# EAGLE board Mk4 Final a Panel score 2x5 (EAGLE 9.0.1), part 5 of 29 (continued)
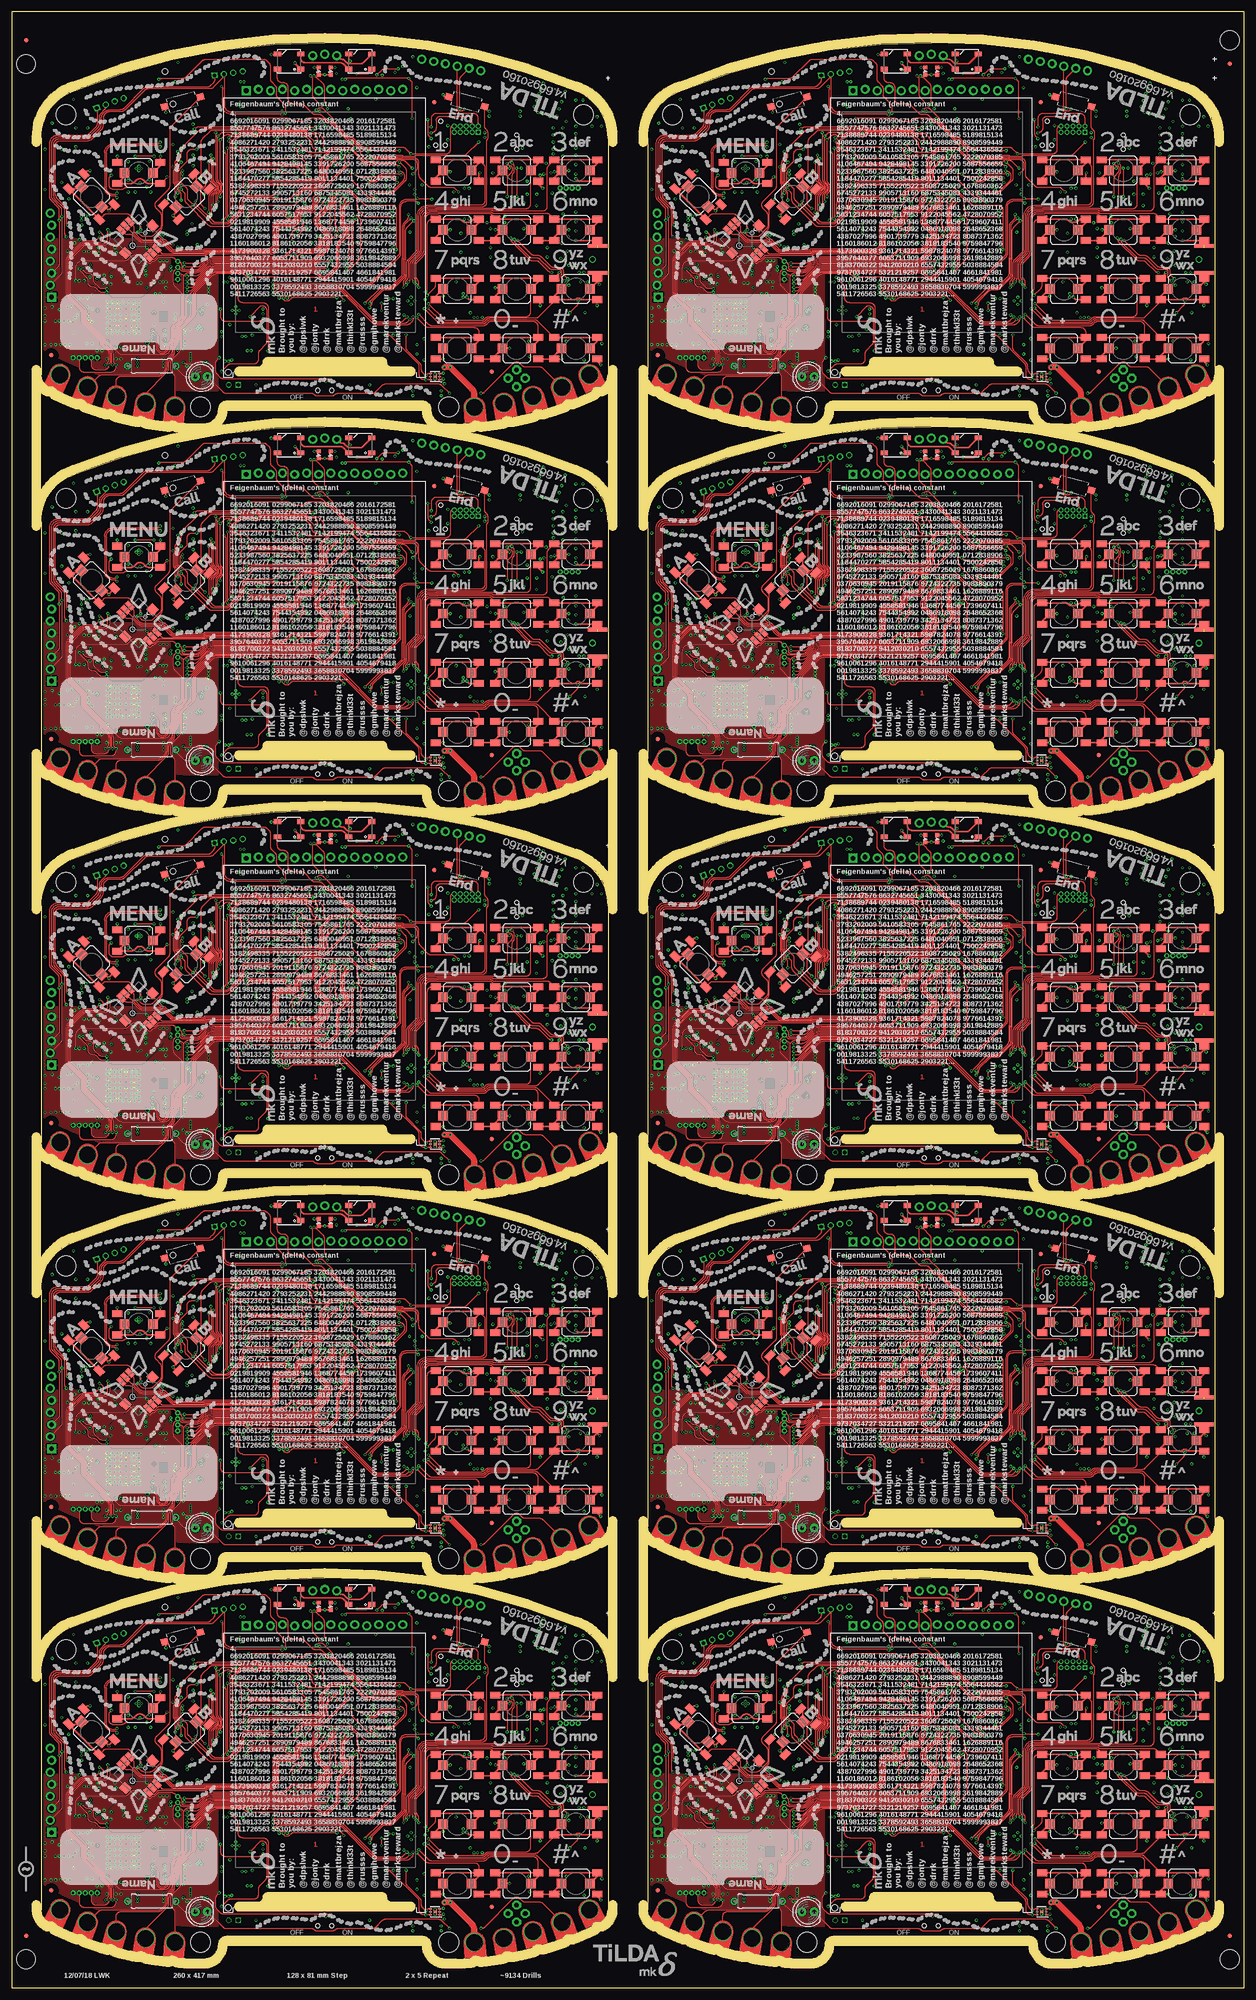
[diagram p0: board, top side]
## Nets (continued)
BTN_67: IC103.13 S113.2 S113.B1 S113.B2
BTN_68: IC103.5 S115.2 S115.B1 S115.B2
BTN_69: IC103.11 S116.2 S116.B1 S116.B2
BTN_70: IC103.12 S117.2 S117.B1 S117.B2
BTN_71: IC103.7 S107.2 S107.B1 S107.B2
BTN_72: IC103.8 S108.2 S108.B1 S108.B2
BTN_73: IC121.1 S127.2 S127.B1 S127.B2
BTN_74: IC121.3 S131.2 S131.B1 S131.B2
BTN_75: IC121.4 S135.2 S135.B1 S135.B2
BTN_76: IC121.14 S130.2 S130.B1 S130.B2
BTN_77: IC121.6 S132.2 S132.B1 S132.B2
BTN_78: IC121.10 S133.2 S133.B1 S133.B2
BTN_79: IC121.13 S134.2 S134.B1 S134.B2
BTN_80: IC121.5 S136.2 S136.B1 S136.B2
BTN_81: IC121.11 S137.2 S137.B1 S137.B2
BTN_82: IC121.12 S138.2 S138.B1 S138.B2
BTN_83: IC121.7 S128.2 S128.B1 S128.B2
BTN_84: IC121.8 S129.2 S129.B1 S129.B2
BTN_85: IC139.1 S148.2 S148.B1 S148.B2
BTN_86: IC139.3 S152.2 S152.B1 S152.B2
BTN_87: IC139.4 S156.2 S156.B1 S156.B2
BTN_88: IC139.14 S151.2 S151.B1 S151.B2
BTN_89: IC139.6 S153.2 S153.B1 S153.B2
BTN_90: IC139.10 S154.2 S154.B1 S154.B2
BTN_91: IC139.13 S155.2 S155.B1 S155.B2
BTN_92: IC139.5 S157.2 S157.B1 S157.B2
BTN_93: IC139.11 S158.2 S158.B1 S158.B2
BTN_94: IC139.12 S159.2 S159.B1 S159.B2
BTN_95: IC139.7 S149.2 S149.B1 S149.B2
BTN_96: IC139.8 S150.2 S150.B1 S150.B2
BTN_97: IC157.1 S169.2 S169.B1 S169.B2
BTN_98: IC157.3 S173.2 S173.B1 S173.B2
BTN_99: IC157.4 S177.2 S177.B1 S177.B2
BTN_100: IC157.14 S172.2 S172.B1 S172.B2
BTN_101: IC157.6 S174.2 S174.B1 S174.B2
BTN_102: IC157.10 S175.2 S175.B1 S175.B2
BTN_103: IC157.13 S176.2 S176.B1 S176.B2
BTN_104: IC157.5 S178.2 S178.B1 S178.B2
BTN_105: IC157.11 S179.2 S179.B1 S179.B2
BTN_106: IC157.12 S180.2 S180.B1 S180.B2
BTN_107: IC157.7 S170.2 S170.B1 S170.B2
BTN_108: IC157.8 S171.2 S171.B1 S171.B2
BTN_109: IC175.1 S190.2 S190.B1 S190.B2
BTN_110: IC175.3 S194.2 S194.B1 S194.B2
BTN_111: IC175.4 S198.2 S198.B1 S198.B2
BTN_112: IC175.14 S193.2 S193.B1 S193.B2
BTN_113: IC175.6 S195.2 S195.B1 S195.B2
BTN_114: IC175.10 S196.2 S196.B1 S196.B2
BTN_115: IC175.13 S197.2 S197.B1 S197.B2
BTN_116: IC175.5 S199.2 S199.B1 S199.B2
BTN_117: IC175.11 S200.2 S200.B1 S200.B2
BTN_118: IC175.12 S201.2 S201.B1 S201.B2
BTN_119: IC175.7 S191.2 S191.B1 S191.B2
BTN_120: IC175.8 S192.2 S192.B1 S192.B2
BTN_A: IC4.16 S13.2 S13.B1 S13.B2
BTN_A1: IC31.16 S35.2 S35.B1 S35.B2
BTN_A2: IC49.16 S56.2 S56.B1 S56.B2
BTN_A3: IC67.16 S77.2 S77.B1 S77.B2
BTN_A4: IC85.16 S98.2 S98.B1 S98.B2
BTN_A5: IC103.16 S119.2 S119.B1 S119.B2
BTN_A6: IC121.16 S140.2 S140.B1 S140.B2
BTN_A7: IC139.16 S161.2 S161.B1 S161.B2
BTN_A8: IC157.16 S182.2 S182.B1 S182.B2
BTN_A9: IC175.16 S203.2 S203.B1 S203.B2
BTN_B: IC4.17 S15.2 S15.B1 S15.B2
BTN_B1: IC31.17 S34.2 S34.B1 S34.B2
BTN_B2: IC49.17 S55.2 S55.B1 S55.B2
BTN_B3: IC67.17 S76.2 S76.B1 S76.B2
BTN_B4: IC85.17 S97.2 S97.B1 S97.B2
BTN_B5: IC103.17 S118.2 S118.B1 S118.B2
BTN_B6: IC121.17 S139.2 S139.B1 S139.B2
BTN_B7: IC139.17 S160.2 S160.B1 S160.B2
BTN_B8: IC157.17 S181.2 S181.B1 S181.B2
BTN_B9: IC175.17 S202.2 S202.B1 S202.B2
BTN_CALL: IC4.15 S16.2
BTN_CALL1: IC31.15 S37.2
BTN_CALL2: IC49.15 S58.2
BTN_CALL3: IC67.15 S79.2
BTN_CALL4: IC85.15 S100.2
BTN_CALL5: IC103.15 S121.2
BTN_CALL6: IC121.15 S142.2
BTN_CALL7: IC139.15 S163.2
BTN_CALL8: IC157.15 S184.2
BTN_CALL9: IC175.15 S205.2
BTN_END: IC4.2 S17.2
BTN_END1: IC31.2 S38.2
BTN_END2: IC49.2 S59.2
BTN_END3: IC67.2 S80.2
BTN_END4: IC85.2 S101.2
BTN_END5: IC103.2 S122.2
BTN_END6: IC121.2 S143.2
BTN_END7: IC139.2 S164.2
BTN_END8: IC157.2 S185.2
BTN_END9: IC175.2 S206.2
BTN_MENU: IC1.102 S14.2 S14.B1 S14.B2
BTN_MENU1: IC20.102 S36.2 S36.B1 S36.B2
BTN_MENU2: IC38.102 S57.2 S57.B1 S57.B2
BTN_MENU3: IC56.102 S78.2 S78.B1 S78.B2
BTN_MENU4: IC74.102 S99.2 S99.B1 S99.B2
BTN_MENU5: IC92.102 S120.2 S120.B1 S120.B2
BTN_MENU6: IC110.102 S141.2 S141.B1 S141.B2
BTN_MENU7: IC128.102 S162.2 S162.B1 S162.B2
BTN_MENU8: IC146.102 S183.2 S183.B1 S183.B2
BTN_MENU9: IC164.102 S204.2 S204.B1 S204.B2
BTST: C37.1 IC8.21
BTST1: C150.1 IC24.21
BTST2: C258.1 IC42.21
BTST3: C366.1 IC60.21
BTST4: C474.1 IC78.21
BTST5: C582.1 IC96.21
BTST6: C690.1 IC114.21
BTST7: C798.1 IC132.21
BTST8: C906.1 IC150.21
BTST9: C1014.1 IC168.21
CC_!CTS: IC15.61
CC_!CTS1: IC29.61
CC_!CTS2: IC47.61
CC_!CTS3: IC65.61
CC_!CTS4: IC83.61
CC_!CTS5: IC101.61
CC_!CTS6: IC119.61
CC_!CTS7: IC137.61
CC_!CTS8: IC155.61
CC_!CTS9: IC173.61
CC_!HIB: IC1.124 IC15.2 R25.1
CC_!HIB1: IC20.124 IC29.2 R107.1
CC_!HIB2: IC38.124 IC47.2 R185.1
CC_!HIB3: IC56.124 IC65.2 R263.1
CC_!HIB4: IC74.124 IC83.2 R341.1
CC_!HIB5: IC92.124 IC101.2 R419.1
CC_!HIB6: IC110.124 IC119.2 R497.1
CC_!HIB7: IC128.124 IC137.2 R575.1
CC_!HIB8: IC146.124 IC155.2 R653.1
CC_!HIB9: IC164.124 IC173.2 R731.1
CC_!RESET: C60.2 IC1.12 IC15.32 JP5.4 R73.1
CC_!RESET1: C187.2 IC20.12 IC29.32 JP16.4 R151.1
CC_!RESET2: C295.2 IC38.12 IC47.32 JP25.4 R229.1
CC_!RESET3: C403.2 IC56.12 IC65.32 JP34.4 R307.1
CC_!RESET4: C511.2 IC74.12 IC83.32 JP43.4 R385.1
CC_!RESET5: C619.2 IC92.12 IC101.32 JP52.4 R463.1
CC_!RESET6: C727.2 IC110.12 IC119.32 JP61.4 R541.1
CC_!RESET7: C835.2 IC128.12 IC137.32 JP70.4 R619.1
CC_!RESET8: C943.2 IC146.12 IC155.32 JP79.4 R697.1
CC_!RESET9: C1051.2 IC164.12 IC173.32 JP88.4 R775.1
CC_!RTS: IC15.50 R70.1
CC_!RTS1: IC29.50 R148.1
CC_!RTS2: IC47.50 R226.1
CC_!RTS3: IC65.50 R304.1
CC_!RTS4: IC83.50 R382.1
CC_!RTS5: IC101.50 R460.1
CC_!RTS6: IC119.50 R538.1
CC_!RTS7: IC137.50 R616.1
CC_!RTS8: IC155.50 R694.1
CC_!RTS9: IC173.50 R772.1
CC_IRQ: IC1.123 IC15.15 R72.1
CC_IRQ1: IC20.123 IC29.15 R150.1
CC_IRQ2: IC38.123 IC47.15 R228.1
CC_IRQ3: IC56.123 IC65.15 R306.1
CC_IRQ4: IC74.123 IC83.15 R384.1
CC_IRQ5: IC92.123 IC101.15 R462.1
CC_IRQ6: IC110.123 IC119.15 R540.1
CC_IRQ7: IC128.123 IC137.15 R618.1
CC_IRQ8: IC146.123 IC155.15 R696.1
CC_IRQ9: IC164.123 IC173.15 R774.1
CC_RCT_XTAL_N: C100.2 IC15.52 X3.P$1
CC_RCT_XTAL_N1: C208.2 IC29.52 X7.P$1
CC_RCT_XTAL_N2: C316.2 IC47.52 X11.P$1
CC_RCT_XTAL_N3: C424.2 IC65.52 X15.P$1
CC_RCT_XTAL_N4: C532.2 IC83.52 X19.P$1
CC_RCT_XTAL_N5: C640.2 IC101.52 X23.P$1
CC_RCT_XTAL_N6: C748.2 IC119.52 X27.P$1
CC_RCT_XTAL_N7: C856.2 IC137.52 X31.P$1
CC_RCT_XTAL_N8: C964.2 IC155.52 X35.P$1
CC_RCT_XTAL_N9: C1072.2 IC173.52 X39.P$1
CC_RESERVED@1: IC29.19 R143.1
CC_RESERVED@2: IC47.19 R221.1
CC_RESERVED@3: IC65.19 R299.1
CC_RESERVED@4: IC83.19 R377.1
CC_RESERVED@5: IC101.19 R455.1
CC_RESERVED@6: IC119.19 R533.1
CC_RESERVED@7: IC137.19 R611.1
CC_RESERVED@8: IC155.19 R689.1
CC_RESERVED@9: IC173.19 R767.1
CC_RESERVED@19: IC15.19 R65.1
CC_RTC_XTAL_P: C101.2 IC15.51 X3.P$2
CC_RTC_XTAL_P1: C209.2 IC29.51 X7.P$2
CC_RTC_XTAL_P2: C317.2 IC47.51 X11.P$2
CC_RTC_XTAL_P3: C425.2 IC65.51 X15.P$2
CC_RTC_XTAL_P4: C533.2 IC83.51 X19.P$2
CC_RTC_XTAL_P5: C641.2 IC101.51 X23.P$2
CC_RTC_XTAL_P6: C749.2 IC119.51 X27.P$2
CC_RTC_XTAL_P7: C857.2 IC137.51 X31.P$2
CC_RTC_XTAL_P8: C965.2 IC155.51 X35.P$2
CC_RTC_XTAL_P9: C1073.2 IC173.51 X39.P$2
CC_TEST1: IC29.62 TP38.TP
CC_TEST2: IC47.62 TP57.TP
CC_TEST3: IC65.62 TP76.TP
CC_TEST4: IC83.62 TP95.TP
CC_TEST5: IC101.62 TP114.TP
CC_TEST6: IC119.62 TP133.TP
CC_TEST7: IC137.62 TP152.TP
CC_TEST8: IC155.62 TP171.TP
CC_TEST9: IC173.62 TP190.TP
CC_TEST62: IC15.62 TP19.TP
CC_WLAN_XTAL_: C99.2 IC15.22 X4.3
CC_WLAN_XTAL_1: C207.2 IC29.22 X8.3
CC_WLAN_XTAL_2: C315.2 IC47.22 X12.3
CC_WLAN_XTAL_3: C423.2 IC65.22 X16.3
CC_WLAN_XTAL_4: C531.2 IC83.22 X20.3
CC_WLAN_XTAL_5: C639.2 IC101.22 X24.3
CC_WLAN_XTAL_6: C747.2 IC119.22 X28.3
CC_WLAN_XTAL_7: C855.2 IC137.22 X32.3
CC_WLAN_XTAL_8: C963.2 IC155.22 X36.3
CC_WLAN_XTAL_9: C1071.2 IC173.22 X40.3
CC_WLAN_XTAL_P: C98.2 IC15.23 X4.1
CC_WLAN_XTAL_P1: C206.2 IC29.23 X8.1
CC_WLAN_XTAL_P2: C314.2 IC47.23 X12.1
CC_WLAN_XTAL_P3: C422.2 IC65.23 X16.1
CC_WLAN_XTAL_P4: C530.2 IC83.23 X20.1
CC_WLAN_XTAL_P5: C638.2 IC101.23 X24.1
CC_WLAN_XTAL_P6: C746.2 IC119.23 X28.1
CC_WLAN_XTAL_P7: C854.2 IC137.23 X32.1
CC_WLAN_XTAL_P8: C962.2 IC155.23 X36.1
CC_WLAN_XTAL_P9: C1070.2 IC173.23 X40.1
DCDC_ANA2_SW_N: IC15.46
DCDC_ANA2_SW_N1: IC29.46
DCDC_ANA2_SW_N2: IC47.46
DCDC_ANA2_SW_N3: IC65.46
DCDC_ANA2_SW_N4: IC83.46
DCDC_ANA2_SW_N5: IC101.46
DCDC_ANA2_SW_N6: IC119.46
DCDC_ANA2_SW_N7: IC137.46
DCDC_ANA2_SW_N8: IC155.46
DCDC_ANA2_SW_N9: IC173.46
DCDC_ANA2_SW_P: IC15.45
DCDC_ANA2_SW_P1: IC29.45
DCDC_ANA2_SW_P2: IC47.45
DCDC_ANA2_SW_P3: IC65.45
DCDC_ANA2_SW_P4: IC83.45
DCDC_ANA2_SW_P5: IC101.45
DCDC_ANA2_SW_P6: IC119.45
DCDC_ANA2_SW_P7: IC137.45
DCDC_ANA2_SW_P8: IC155.45
DCDC_ANA2_SW_P9: IC173.45
DCDC_ANA_SW: IC15.38 L7.2
DCDC_ANA_SW1: IC29.38 L16.2
DCDC_ANA_SW2: IC47.38 L25.2
DCDC_ANA_SW3: IC65.38 L34.2
DCDC_ANA_SW4: IC83.38 L43.2
DCDC_ANA_SW5: IC101.38 L52.2
DCDC_ANA_SW6: IC119.38 L61.2
DCDC_ANA_SW7: IC137.38 L70.2
DCDC_ANA_SW8: IC155.38 L79.2
DCDC_ANA_SW9: IC173.38 L88.2
DCDC_DIG_SW: IC15.43 L9.2
DCDC_DIG_SW1: IC29.43 L18.2
DCDC_DIG_SW2: IC47.43 L27.2
DCDC_DIG_SW3: IC65.43 L36.2
DCDC_DIG_SW4: IC83.43 L45.2
DCDC_DIG_SW5: IC101.43 L54.2
DCDC_DIG_SW6: IC119.43 L63.2
DCDC_DIG_SW7: IC137.43 L72.2
DCDC_DIG_SW8: IC155.43 L81.2
DCDC_DIG_SW9: IC173.43 L90.2
DCDC_PA_SW_N: IC15.41 L8.1
DCDC_PA_SW_N1: IC29.41 L17.1
DCDC_PA_SW_N2: IC47.41 L26.1
DCDC_PA_SW_N3: IC65.41 L35.1
DCDC_PA_SW_N4: IC83.41 L44.1
DCDC_PA_SW_N5: IC101.41 L53.1
DCDC_PA_SW_N6: IC119.41 L62.1
DCDC_PA_SW_N7: IC137.41 L71.1
DCDC_PA_SW_N8: IC155.41 L80.1
DCDC_PA_SW_N9: IC173.41 L89.1
DCDC_PA_SW_P: IC15.40 L8.2
DCDC_PA_SW_P1: IC29.40 L17.2
DCDC_PA_SW_P2: IC47.40 L26.2
DCDC_PA_SW_P3: IC65.40 L35.2
DCDC_PA_SW_P4: IC83.40 L44.2
DCDC_PA_SW_P5: IC101.40 L53.2
DCDC_PA_SW_P6: IC119.40 L62.2
DCDC_PA_SW_P7: IC137.40 L71.2
DCDC_PA_SW_P8: IC155.40 L80.2
DCDC_PA_SW_P9: IC173.40 L89.2
EN0RXI_N [100R Diff]: IC1.53 JP7.6
EN0RXI_N1 [100R Diff]: IC20.53 JP12.6
EN0RXI_N2 [100R Diff]: IC38.53 JP21.6
EN0RXI_N3 [100R Diff]: IC56.53 JP30.6
EN0RXI_N4 [100R Diff]: IC74.53 JP39.6
EN0RXI_N5 [100R Diff]: IC92.53 JP48.6
EN0RXI_N6 [100R Diff]: IC110.53 JP57.6
EN0RXI_N7 [100R Diff]: IC128.53 JP66.6
EN0RXI_N8 [100R Diff]: IC146.53 JP75.6
EN0RXI_N9 [100R Diff]: IC164.53 JP84.6
EN0RXI_P [100R Diff]: IC1.54 JP7.7
EN0RXI_P1 [100R Diff]: IC20.54 JP12.7
EN0RXI_P2 [100R Diff]: IC38.54 JP21.7
EN0RXI_P3 [100R Diff]: IC56.54 JP30.7
EN0RXI_P4 [100R Diff]: IC74.54 JP39.7
EN0RXI_P5 [100R Diff]: IC92.54 JP48.7
EN0RXI_P6 [100R Diff]: IC110.54 JP57.7
EN0RXI_P7 [100R Diff]: IC128.54 JP66.7
EN0RXI_P8 [100R Diff]: IC146.54 JP75.7
EN0RXI_P9 [100R Diff]: IC164.54 JP84.7
EN0TXO_N [100R Diff]: IC1.56 JP7.12
EN0TXO_N1 [100R Diff]: IC20.56 JP12.12
EN0TXO_N2 [100R Diff]: IC38.56 JP21.12
EN0TXO_N3 [100R Diff]: IC56.56 JP30.12
EN0TXO_N4 [100R Diff]: IC74.56 JP39.12
EN0TXO_N5 [100R Diff]: IC92.56 JP48.12
EN0TXO_N6 [100R Diff]: IC110.56 JP57.12
EN0TXO_N7 [100R Diff]: IC128.56 JP66.12
EN0TXO_N8 [100R Diff]: IC146.56 JP75.12
EN0TXO_N9 [100R Diff]: IC164.56 JP84.12
EN0TXO_P [100R Diff]: IC1.57 JP7.13
EN0TXO_P1 [100R Diff]: IC20.57 JP12.13
EN0TXO_P2 [100R Diff]: IC38.57 JP21.13
EN0TXO_P3 [100R Diff]: IC56.57 JP30.13
EN0TXO_P4 [100R Diff]: IC74.57 JP39.13
EN0TXO_P5 [100R Diff]: IC92.57 JP48.13
EN0TXO_P6 [100R Diff]: IC110.57 JP57.13
EN0TXO_P7 [100R Diff]: IC128.57 JP66.13
EN0TXO_P8 [100R Diff]: IC146.57 JP75.13
EN0TXO_P9 [100R Diff]: IC164.57 JP84.13
ETHLED0: IC1.42 R1.2
ETHLED0_R: JP7.3 R1.1
ETHLED0_R1: JP12.3 R85.1
ETHLED0_R2: JP21.3 R163.1
ETHLED0_R3: JP30.3 R241.1
ETHLED0_R4: JP39.3 R319.1
ETHLED0_R5: JP48.3 R397.1
ETHLED0_R6: JP57.3 R475.1
ETHLED0_R7: JP66.3 R553.1
ETHLED0_R8: JP75.3 R631.1
ETHLED0_R9: JP84.3 R709.1
ETHLED1: IC1.43 R2.2
ETHLED1_R: JP7.5 R2.1
ETHLED1_R1: JP12.5 R86.1
ETHLED1_R2: JP21.5 R164.1
ETHLED1_R3: JP30.5 R242.1
ETHLED1_R4: JP39.5 R320.1
ETHLED1_R5: JP48.5 R398.1
ETHLED1_R6: JP57.5 R476.1
ETHLED1_R7: JP66.5 R554.1
ETHLED1_R8: JP75.5 R632.1
ETHLED1_R9: JP84.5 R710.1
ETHLED2: IC20.42 R85.2
ETHLED3: IC20.43 R86.2
ETHLED4: IC38.42 R163.2
ETHLED5: IC38.43 R164.2
ETHLED6: IC56.42 R241.2
ETHLED7: IC56.43 R242.2
ETHLED8: IC74.42 R319.2
ETHLED9: IC74.43 R320.2
ETHLED10: IC92.42 R397.2
ETHLED11: IC92.43 R398.2
ETHLED12: IC110.42 R475.2
ETHLED13: IC110.43 R476.2
ETHLED14: IC128.42 R553.2
ETHLED15: IC128.43 R554.2
ETHLED16: IC146.42 R631.2
ETHLED17: IC146.43 R632.2
ETHLED18: IC164.42 R709.2
ETHLED19: IC164.43 R710.2
FET: IC1.110 Q2.1 R59.1
FET1: IC20.110 Q5.1 R137.1
FET2: IC38.110 Q10.1 R215.1
FET3: IC56.110 Q14.1 R293.1
FET4: IC74.110 Q18.1 R371.1
FET5: IC92.110 Q22.1 R449.1
FET6: IC110.110 Q26.1 R527.1
FET7: IC128.110 Q30.1 R605.1
FET8: IC146.110 Q34.1 R683.1
FET9: IC164.110 Q38.1 R761.1
FET_OUT: LED5.K PCB.FET Q2.3
FET_OUT1: LED11.K PCB1.FET Q5.3
FET_OUT2: LED17.K PCB2.FET Q10.3
FET_OUT3: LED23.K PCB3.FET Q14.3
FET_OUT4: LED29.K PCB4.FET Q18.3
FET_OUT5: LED35.K PCB5.FET Q22.3
FET_OUT6: LED41.K PCB6.FET Q26.3
FET_OUT7: LED47.K PCB7.FET Q30.3
FET_OUT8: LED53.K PCB8.FET Q34.3
FET_OUT9: LED59.K PCB9.FET Q38.3
FLASH_!CS: IC14.1 IC15.14 JP1.3 R67.1
FLASH_!CS1: IC29.14 IC30.1 JP15.3 R145.1
FLASH_!CS2: IC47.14 IC48.1 JP24.3 R223.1
FLASH_!CS3: IC65.14 IC66.1 JP33.3 R301.1
FLASH_!CS4: IC83.14 IC84.1 JP42.3 R379.1
FLASH_!CS5: IC101.14 IC102.1 JP51.3 R457.1
FLASH_!CS6: IC119.14 IC120.1 JP60.3 R535.1
FLASH_!CS7: IC137.14 IC138.1 JP69.3 R613.1
FLASH_!CS8: IC155.14 IC156.1 JP78.3 R691.1
FLASH_!CS9: IC173.14 IC174.1 JP87.3 R769.1
FLASH_!HOLD: IC6.7 R9.2
FLASH_!HOLD1: IC22.7 R93.2
FLASH_!HOLD2: IC40.7 R171.2
FLASH_!HOLD3: IC58.7 R249.2
FLASH_!HOLD4: IC76.7 R327.2
FLASH_!HOLD5: IC94.7 R405.2
FLASH_!HOLD6: IC112.7 R483.2
FLASH_!HOLD7: IC130.7 R561.2
FLASH_!HOLD8: IC148.7 R639.2
FLASH_!HOLD9: IC166.7 R717.2
FLASH_!WP: IC6.3 R10.2
FLASH_!WP1: IC22.3 R94.2
FLASH_!WP2: IC40.3 R172.2
FLASH_!WP3: IC58.3 R250.2
FLASH_!WP4: IC76.3 R328.2
FLASH_!WP5: IC94.3 R406.2
FLASH_!WP6: IC112.3 R484.2
FLASH_!WP7: IC130.3 R562.2
FLASH_!WP8: IC148.3 R640.2
FLASH_!WP9: IC166.3 R718.2
FLASH_CLK: IC14.6 IC15.11 JP1.4
FLASH_CLK1: IC29.11 IC30.6 JP15.4
FLASH_CLK2: IC47.11 IC48.6 JP24.4
FLASH_CLK3: IC65.11 IC66.6 JP33.4
FLASH_CLK4: IC83.11 IC84.6 JP42.4
FLASH_CLK5: IC101.11 IC102.6 JP51.4
FLASH_CLK6: IC119.11 IC120.6 JP60.4
FLASH_CLK7: IC137.11 IC138.6 JP69.4
FLASH_CLK8: IC155.11 IC156.6 JP78.4
FLASH_CLK9: IC173.11 IC174.6 JP87.4
FLASH_MISO: IC14.2 IC15.13 JP1.2
FLASH_MISO1: IC29.13 IC30.2 JP15.2
FLASH_MISO2: IC47.13 IC48.2 JP24.2
FLASH_MISO3: IC65.13 IC66.2 JP33.2
FLASH_MISO4: IC83.13 IC84.2 JP42.2
FLASH_MISO5: IC101.13 IC102.2 JP51.2
FLASH_MISO6: IC119.13 IC120.2 JP60.2
FLASH_MISO7: IC137.13 IC138.2 JP69.2
FLASH_MISO8: IC155.13 IC156.2 JP78.2
FLASH_MISO9: IC173.13 IC174.2 JP87.2
FLASH_MOSI: IC14.5 IC15.12 JP1.5
FLASH_MOSI1: IC29.12 IC30.5 JP15.5
FLASH_MOSI2: IC47.12 IC48.5 JP24.5
FLASH_MOSI3: IC65.12 IC66.5 JP33.5
FLASH_MOSI4: IC83.12 IC84.5 JP42.5
FLASH_MOSI5: IC101.12 IC102.5 JP51.5
FLASH_MOSI6: IC119.12 IC120.5 JP60.5
FLASH_MOSI7: IC137.12 IC138.5 JP69.5
FLASH_MOSI8: IC155.12 IC156.5 JP78.5
FLASH_MOSI9: IC173.12 IC174.5 JP87.5
FLASH_PU: IC14.3 IC14.7 R66.2
FLASH_PU1: IC30.3 IC30.7 R144.2
FLASH_PU2: IC48.3 IC48.7 R222.2
FLASH_PU3: IC66.3 IC66.7 R300.2
FLASH_PU4: IC84.3 IC84.7 R378.2
FLASH_PU5: IC102.3 IC102.7 R456.2
FLASH_PU6: IC120.3 IC120.7 R534.2
FLASH_PU7: IC138.3 IC138.7 R612.2
FLASH_PU8: IC156.3 IC156.7 R690.2
FLASH_PU9: IC174.3 IC174.7 R768.2
GMS_ANT_L [50R Single]: C73.2 D2.1 J4.ANT J7.1 L3.2
GMS_ANT_L1 [50R Single]: C174.2 D4.1 J15.ANT J19.1 L13.2
GMS_ANT_L2 [50R Single]: C282.2 D6.1 J25.ANT J29.1 L22.2
GMS_ANT_L3 [50R Single]: C390.2 D8.1 J35.ANT J39.1 L31.2
GMS_ANT_L4 [50R Single]: C498.2 D10.1 J45.ANT J49.1 L40.2
GMS_ANT_L5 [50R Single]: C606.2 D12.1 J55.ANT J59.1 L49.2
GMS_ANT_L6 [50R Single]: C714.2 D14.1 J65.ANT J69.1 L58.2
GMS_ANT_L7 [50R Single]: C822.2 D16.1 J75.ANT J79.1 L67.2
GMS_ANT_L8 [50R Single]: C930.2 D18.1 J85.ANT J89.1 L76.2
GMS_ANT_L9 [50R Single]: C1038.2 D20.1 J95.ANT J99.1 L85.2
GND: ANT1.2 ANT1.3 ANT1.4 ANT2.2 ANT2.3 ANT2.4 C1.2 C2.1 C3.1 C4.1 C5.1 C6.1 C7.1 C8.1 C9.1 C10.1 C11.1 C12.1 C13.1 C14.1 C15.1 C16.1 C17.1 C18.1 C19.1 C20.1 C21.1 C22.1 C23.1 C24.1 C25.1 C26.1 C27.1 C28.1 C29.- C30.1 C31.1 C32.- C33.2 C34.2 C35.2 C36.2 C38.1 C39.1 C40.2 C41.2 C42.1 C43.1 C44.2 C45.1 C46.2 C47.2 C48.1 C49.1 C50.1 C51.1 C53.2 C54.2 C55.2 C57.2 C58.2 C59.1 C60.1 C61.2 C62.2 C63.2 C65.2 C66.2 C67.2 C69.2 C70.1 C71.1 C72.1 C73.1 C74.1 C75.1 C76.1 C77.1 C78.1 C84.2 C85.2 C86.2 C87.2 C88.2 C89.2 C90.2 C91.2 C92.2 C93.2 C94.2 C95.2 C96.2 C97.2 C98.1 C99.1 C100.1 C101.1 C102.2 C104.2 C106.2 C107.2 C108.2 D1.A D2.2 FL1.GND@2 FL1.GND@4 IC1.10 IC1.17 IC1.48 IC1.55 IC1.58 IC1.80 IC1.114 IC2.6 IC2.12 IC2.28 IC2.41 IC2.46 IC2.52 IC2.54 IC3.2 IC3.3 IC4.9 IC4.18 IC4.23 IC4.24 IC4.25 IC5.8 IC5.13 IC5.19 IC5.21 IC5.27 IC5.30 IC5.31 IC5.33 IC5.36 IC5.37 IC6.4 IC7.3 IC8.17 IC8.18 IC8.25 IC9.3 IC9.5 IC10.3 IC11.4 IC12.7 IC13.7 IC13.PAD IC14.4 IC15.PAD IC16.2 IC16.4 IC17.2 IC17.3 IC17.PAD IC18.3 J1.C4 J1.C5 J1.GND1 J1.GND2 J1.GND3 J1.GND4 J1.GND5 J1.GND6 J2.6 J2.11 J2.12 J2.13 J2.14 J2.15 J2.16 J2.17 J2.18 J2.19 J2.20 J2.21 J2.22 J2.23 J2.24 J2.25 J2.26 J2.27 J2.28 J2.29 J2.30 J2.31 J2.32 J2.43 J2.48 J2.49 J2.50 J3.3 J3.5 J3.9 J5.1 J7.G@1 J7.G@2 J7.G@3 J7.G@4 J8.4 J8.8 J8.SS1 J8.SS2 J9.4 J10.4 J10.8 J10.SS1 J10.SS2 J11.1 JP1.1 JP2.1 JP3.1 JP4.5 JP5.1 JP6.1 JP7.1 JP7.2 JP7.4 JP8.1 JP9.1 LED1.3 LED2.3 LED3.C LED4.C PCB.GND Q1.2 Q2.2 Q8.4 Q8.EP2 R3.2 R7.2 R15.1 R17.2 R19.2 R25.2 R30.2 R38.2 R39.2 R40.2 R51.2 R55.1 R59.2 R61.2 R62.2 R63.2 R64.2 R65.2 R70.2 R71.2 R72.2 R74.2 S1.1 S1.A1 S1.A2 S2.1 S2.A1 S2.A2 S3.1 S3.A1 S3.A2 S4.1 S4.A1 S4.A2 S5.1 S5.A1 S5.A2 S6.1 S6.A1 S6.A2 S7.1 S7.A1 S7.A2 S8.1 S8.A1 S8.A2 S9.1 S9.A1 S9.A2 S10.1 S10.A1 S10.A2 S11.1 S11.A1 S11.A2 S12.1 S12.A1 S12.A2 S13.1 S13.A1 S13.A2 S14.1 S14.A1 S14.A2 S15.1 S15.A1 S15.A2 S16.1 S17.1 S18.2 S19.1 S20.1 TP17.TP U1.GND X2.2 X2.4 X4.2 X4.4
GND1: ANT3.2 ANT3.3 ANT3.4 ANT4.2 ANT4.3 ANT4.4 C109.1 C110.1 C111.2 C112.1 C113.1 C114.1 C115.1 C116.1 C117.1 C118.1 C119.1 C120.1 C121.1 C122.1 C123.1 C124.1 C125.1 C126.1 C127.1 C128.1 C129.1 C130.1 C131.1 C132.1 C133.1 C134.1 C135.1 C136.1 C137.1 C138.1 C139.- C140.1 C141.1 C142.- C143.2 C144.2 C145.2 C146.2 C147.2 C148.2 C149.1 C151.2 C152.2 C153.1 C154.1 C155.1 C156.1 C157.1 C158.1 C160.2 C161.2 C162.2 C164.2 C166.2 C167.2 C168.2 C170.2 C171.1 C172.1 C173.1 C174.1 C175.1 C176.1 C177.1 C178.1 C179.1 C185.2 C186.1 C187.1 C188.2 C189.2 C190.2 C191.2 C192.2 C193.2 C194.2 C195.2 C196.2 C197.2 C198.2 C199.2 C200.2 C201.2 C202.2 C203.2 C204.2 C205.2 C206.1 C207.1 C208.1 C209.1 C210.2 C212.2 C214.2 C215.2 C216.2 D3.A D4.2 FL2.GND@2 FL2.GND@4 IC19.6 IC19.12 IC19.28 IC19.41 IC19.46 IC19.52 IC19.54 IC20.10 IC20.17 IC20.48 IC20.55 IC20.58 IC20.80 IC20.114 IC21.8 IC21.13 IC21.19 IC21.21 IC21.27 IC21.30 IC21.31 IC21.33 IC21.36 IC21.37 IC22.4 IC23.3 IC24.17 IC24.18 IC24.25 IC25.3 IC26.4 IC27.7 IC28.7 IC28.PAD IC29.PAD IC30.4 IC31.9 IC31.18 IC31.23 IC31.24 IC31.25 IC32.2 IC32.4 IC33.3 IC33.5 IC34.2 IC34.3 IC34.PAD IC35.2 IC35.3 IC36.3 J6.6 J6.11 J6.12 J6.13 J6.14 J6.15 J6.16 J6.17 J6.18 J6.19 J6.20 J6.21 J6.22 J6.23 J6.24 J6.25 J6.26 J6.27 J6.28 J6.29 J6.30 J6.31 J6.32 J6.43 J6.48 J6.49 J6.50 J12.1 J13.3 J13.5 J13.9 J14.C4 J14.C5 J14.GND1 J14.GND2 J14.GND3 J14.GND4 J14.GND5 J14.GND6 J16.4 J16.8 J16.SS1 J16.SS2 J17.4 J18.4 J18.8 J18.SS1 J18.SS2 J19.G@1 J19.G@2 J19.G@3 J19.G@4 J20.1 JP10.5 JP11.1 JP12.1 JP12.2 JP12.4 JP13.1 JP14.1 JP15.1 JP16.1 JP17.1 JP18.1 LED7.3 LED8.3 LED9.C LED10.C PCB1.GND Q4.4 Q4.EP2 Q5.2 Q6.2 R87.2 R91.2 R97.1 R99.2 R101.2 R107.2 R112.2 R114.2 R121.2 R122.2 R129.2 R133.1 R137.2 R139.2 R140.2 R141.2 R142.2 R143.2 R148.2 R149.2 R150.2 R155.2 S21.1 S21.A1 S21.A2 S23.1 S23.A1 S23.A2 S24.1 S24.A1 S24.A2 S25.1 S25.A1 S25.A2 S26.1 S26.A1 S26.A2 S27.1 S27.A1 S27.A2 S28.1 S28.A1 S28.A2 S29.1 S29.A1 S29.A2 S30.1 S30.A1 S30.A2 S31.1 S31.A1 S31.A2 S32.1 S32.A1 S32.A2 S33.1 S33.A1 S33.A2 S34.1 S34.A1 S34.A2 S35.1 S35.A1 S35.A2 S36.1 S36.A1 S36.A2 S37.1 S38.1 S39.2 S40.1 S41.1 TP36.TP U2.GND X6.2 X6.4 X8.2 X8.4
GND2: ANT5.2 ANT5.3 ANT5.4 ANT6.2 ANT6.3 ANT6.4 C217.1 C218.1 C219.2 C220.1 C221.1 C222.1 C223.1 C224.1 C225.1 C226.1 C227.1 C228.1 C229.1 C230.1 C231.1 C232.1 C233.1 C234.1 C235.1 C236.1 C237.1 C238.1 C239.1 C240.1 C241.1 C242.1 C243.1 C244.1 C245.1 C246.1 C247.- C248.1 C249.1 C250.- C251.2 C252.2 C253.2 C254.2 C255.2 C256.2 C257.1 C259.2 C260.2 C261.1 C262.1 C263.1 C264.1 C265.1 C266.1 C268.2 C269.2 C270.2 C272.2 C274.2 C275.2 C276.2 C278.2 C279.1 C280.1 C281.1 C282.1 C283.1 C284.1 C285.1 C286.1 C287.1 C293.2 C294.1 C295.1 C296.2 C297.2 C298.2 C299.2 C300.2 C301.2 C302.2 C303.2 C304.2 C305.2 C306.2 C307.2 C308.2 C309.2 C310.2 C311.2 C312.2 C313.2 C314.1 C315.1 C316.1 C317.1 C318.2 C320.2 C322.2 C323.2 C324.2 D5.A D6.2 FL3.GND@2 FL3.GND@4 IC37.6 IC37.12 IC37.28 IC37.41 IC37.46 IC37.52 IC37.54 IC38.10 IC38.17 IC38.48 IC38.55 IC38.58 IC38.80 IC38.114 IC39.8 IC39.13 IC39.19 IC39.21 IC39.27 IC39.30 IC39.31 IC39.33 IC39.36 IC39.37 IC40.4 IC41.3 IC42.17 IC42.18 IC42.25 IC43.3 IC44.4 IC45.7 IC46.7 IC46.PAD IC47.PAD IC48.4 IC49.9 IC49.18 IC49.23 IC49.24 IC49.25 IC50.2 IC50.4 IC51.3 IC51.5 IC52.2 IC52.3 IC52.PAD IC53.2 IC53.3 IC54.3 J21.6 J21.11 J21.12 J21.13 J21.14 J21.15 J21.16 J21.17 J21.18 J21.19 J21.20 J21.21 J21.22 J21.23 J21.24 J21.25 J21.26 J21.27 J21.28 J21.29 J21.30 J21.31 J21.32 J21.43 J21.48 J21.49 J21.50 J22.1 J23.3 J23.5 J23.9 J24.C4 J24.C5 J24.GND1 J24.GND2 J24.GND3 J24.GND4 J24.GND5 J24.GND6 J26.4 J26.8 J26.SS1 J26.SS2 J27.4 J28.4 J28.8 J28.SS1 J28.SS2 J29.G@1 J29.G@2 J29.G@3 J29.G@4 J30.1 JP19.5 JP20.1 JP21.1 JP21.2 JP21.4 JP22.1 JP23.1 JP24.1 JP25.1 JP26.1 JP27.1 LED13.3 LED14.3 LED15.C LED16.C PCB2.GND Q9.4 Q9.EP2 Q10.2 Q11.2 R165.2 R169.2 R175.1 R177.2 R179.2 R185.2 R190.2 R192.2 R199.2 R200.2 R207.2 R211.1 R215.2 R217.2 R218.2 R219.2 R220.2 R221.2 R226.2 R227.2 R228.2 R233.2 S43.1 S43.A1 S43.A2 S44.1 S44.A1 S44.A2 S45.1 S45.A1 S45.A2 S46.1 S46.A1 S46.A2 S47.1 S47.A1 S47.A2 S48.1 S48.A1 S48.A2 S49.1 S49.A1 S49.A2 S50.1 S50.A1 S50.A2 S51.1 S51.A1 S51.A2 S52.1 S52.A1 S52.A2 S53.1 S53.A1 S53.A2 S54.1 S54.A1 S54.A2 S55.1 S55.A1 S55.A2 S56.1 S56.A1 S56.A2 S57.1 S57.A1 S57.A2 S58.1 S59.1 S60.2 S61.1 S62.1 TP55.TP U7.GND X10.2 X10.4 X12.2 X12.4
GND3: ANT7.2 ANT7.3 ANT7.4 ANT8.2 ANT8.3 ANT8.4 C325.1 C326.1 C327.2 C328.1 C329.1 C330.1 C331.1 C332.1 C333.1 C334.1 C335.1 C336.1 C337.1 C338.1 C339.1 C340.1 C341.1 C342.1 C343.1 C344.1 C345.1 C346.1 C347.1 C348.1 C349.1 C350.1 C351.1 C352.1 C353.1 C354.1 C355.- C356.1 C357.1 C358.- C359.2 C360.2 C361.2 C362.2 C363.2 C364.2 C365.1 C367.2 C368.2 C369.1 C370.1 C371.1 C372.1 C373.1 C374.1 C376.2 C377.2 C378.2 C380.2 C382.2 C383.2 C384.2 C386.2 C387.1 C388.1 C389.1 C390.1 C391.1 C392.1 C393.1 C394.1 C395.1 C401.2 C402.1 C403.1 C404.2 C405.2 C406.2 C407.2 C408.2 C409.2 C410.2 C411.2 C412.2 C413.2 C414.2 C415.2 C416.2 C417.2 C418.2 C419.2 C420.2 C421.2 C422.1 C423.1 C424.1 C425.1 C426.2 C428.2 C430.2 C431.2 C432.2 D7.A D8.2 FL4.GND@2 FL4.GND@4 IC55.6 IC55.12 IC55.28 IC55.41 IC55.46 IC55.52 IC55.54 IC56.10 IC56.17 IC56.48 IC56.55 IC56.58 IC56.80 IC56.114 IC57.8 IC57.13 IC57.19 IC57.21 IC57.27 IC57.30 IC57.31 IC57.33 IC57.36 IC57.37 IC58.4 IC59.3 IC60.17 IC60.18 IC60.25 IC61.3 IC62.4 IC63.7 IC64.7 IC64.PAD IC65.PAD IC66.4 IC67.9 IC67.18 IC67.23 IC67.24 IC67.25 IC68.2 IC68.4 IC69.3 IC69.5 IC70.2 IC70.3 IC70.PAD IC71.2 IC71.3 IC72.3 J31.6 J31.11 J31.12 J31.13 J31.14 J31.15 J31.16 J31.17 J31.18 J31.19 J31.20 J31.21 J31.22 J31.23 J31.24 J31.25 J31.26 J31.27 J31.28 J31.29 J31.30 J31.31 J31.32 J31.43 J31.48 J31.49 J31.50 J32.1 J33.3 J33.5 J33.9 J34.C4 J34.C5 J34.GND1 J34.GND2 J34.GND3 J34.GND4 J34.GND5 J34.GND6 J36.4 J36.8 J36.SS1 J36.SS2 J37.4 J38.4 J38.8 J38.SS1 J38.SS2 J39.G@1 J39.G@2 J39.G@3 J39.G@4 J40.1 JP28.5 JP29.1 JP30.1 JP30.2 JP30.4 JP31.1 JP32.1 JP33.1 JP34.1 JP35.1 JP36.1 LED19.3 LED20.3 LED21.C LED22.C PCB3.GND Q13.4 Q13.EP2 Q14.2 Q15.2 R243.2 R247.2 R253.1 R255.2 R257.2 R263.2 R268.2 R270.2 R277.2 R278.2 R285.2 R289.1 R293.2 R295.2 R296.2 R297.2 R298.2 R299.2 R304.2 R305.2 R306.2 R311.2 S64.1 S64.A1 S64.A2 S65.1 S65.A1 S65.A2 S66.1 S66.A1 S66.A2 S67.1 S67.A1 S67.A2 S68.1 S68.A1 S68.A2 S69.1 S69.A1 S69.A2 S70.1 S70.A1 S70.A2 S71.1 S71.A1 S71.A2 S72.1 S72.A1 S72.A2 S73.1 S73.A1 S73.A2 S74.1 S74.A1 S74.A2 S75.1 S75.A1 S75.A2 S76.1 S76.A1 S76.A2 S77.1 S77.A1 S77.A2 S78.1 S78.A1 S78.A2 S79.1 S80.1 S81.2 S82.1 S83.1 TP74.TP U10.GND X14.2 X14.4 X16.2 X16.4